# Altium PCB ZYNQ_IPMC.PcbDoc (part 6 of 6)
Units mil, origin at the board's own origin, x right, y up, seen from the top; angles counter-clockwise.
Board outline 3228.35 x 1181.1 mil, 10 copper layers (Component Side, Ground Plane 1 (GND), Inner Layer 1, Inner Layer 2, Power Plane 1, Power Plane 2, Inner Layer 3, Inner Layer 4, Power Plane 3, Solder Side), stack 39.78 mil thick; 308 components, 335 nets, 1514 pads, 1113 vias.
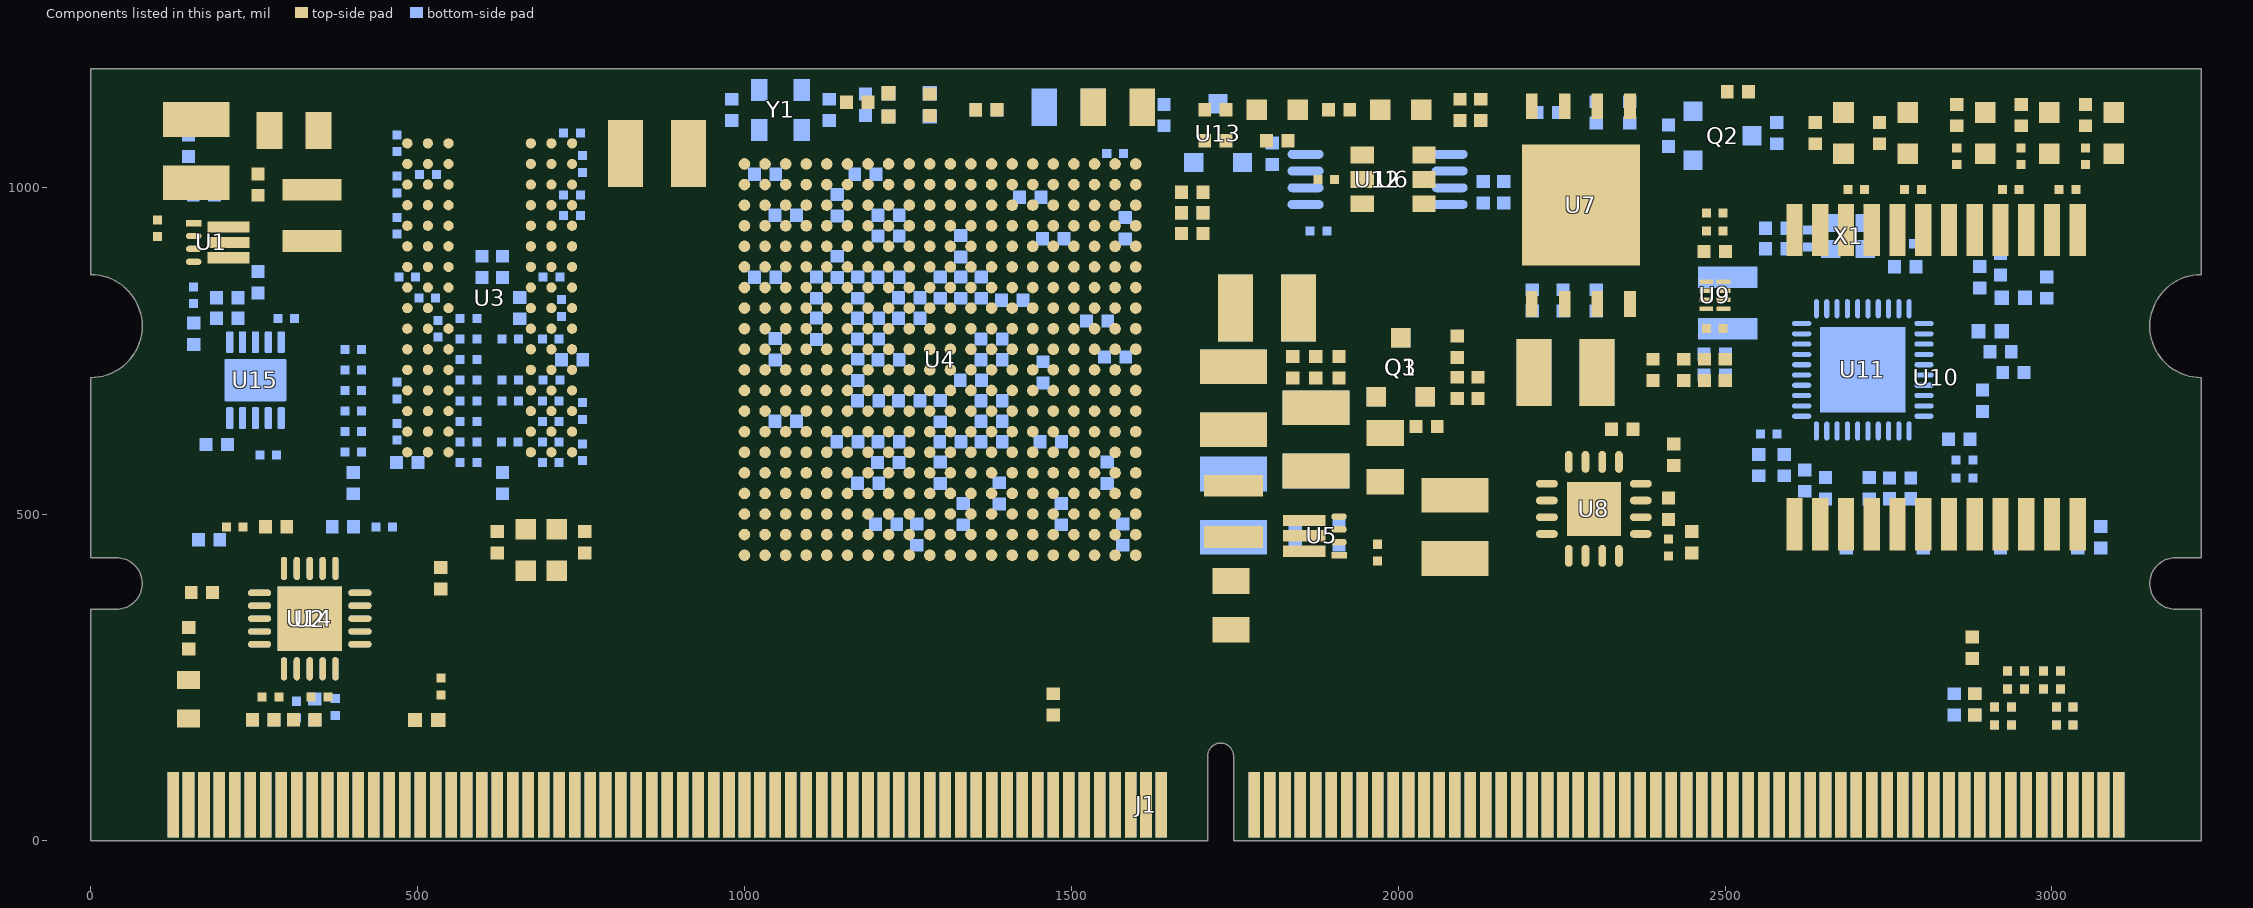
[diagram p14: the components of this part, seen from the top]

## Polygon pours and split planes (outlines as drawn)
GND on Solder Side "PLANE_BOT_GND" (solid, remove dead copper, pour order 28): 3114.17,114.17 3118.11,118.11 3228.35,118.11 3228.35,692.91 3228.35,1181.11 -3.94,1181.1 -3.94,448.82 -3.94,118.11 110.24,118.11 114.17,114.17 114.17,102.36 3114.17,102.36
VTTRAM on Solder Side "VTTRAM_L10_P002" (solid, remove dead copper, pour order 2): 397.64,850.39 402.89,845.14 402.89,583.01 437.07,583.01 458.07,562.01 459.05,562.99 572.18,562.99 572.18,870.08 696.85,870.08 696.85,535.43 393.7,535.43 354.33,574.8 354.33,724.41 334.65,744.09 244.09,744.09 244.09,850.39
GND on Component Side "PLANE_TOP_GND" (solid, remove dead copper, pour order 26): 3228.35,448.82 3228.35,118.11 3133.86,118.11 3118.11,118.11 3114.17,114.17 3114.17,102.36 114.17,102.36 114.17,114.17 110.24,118.11 106.3,118.11 -3.94,118.11 -3.94,448.82 -3.94,1181.09 3228.35,1181.1
VCC1.5 on Component Side "VCC1.5_L01_P012" (solid, pour order 12): 291.34,976.38 381.89,976.38 456.69,901.57 562.99,901.57 562.99,1074.8 570.87,1082.68 649.61,1082.68 657.48,1074.8 657.48,956.69 673.23,940.94 799.21,940.94 850.39,992.13 850.39,1149.61 311.02,1149.61 311.02,1031.5 291.34,1011.81
VCC3.3 on Component Side "VCC3.3_L01_P006" (solid, pour order 6): 244.09,929.13 275.59,960.63 275.59,1000 271.65,1003.94 240.16,1003.94 216.54,1027.56 216.54,1055.12 39.37,1055.12 39.37,929.13 177.17,929.13
VCC3.3_IO on Component Side "VCC3.3_IO_L01_P016" (solid, pour order 16): 2078.74,1145.67 2086.61,1153.54 2212.6,1153.54 2220.47,1145.67 2220.47,1082.68 2212.6,1074.8 2157.48,1074.8 2149.61,1082.68 2149.61,1110.24 2141.73,1118.11 2086.61,1118.11 2078.74,1125.98
VCC1.8 on Component Side "VCC1.8_L01_P018" (solid, pour order 18): 2153.54,767.72 2161.42,775.59 2240.16,775.59 2248.03,767.72 2248.03,661.42 2255.91,653.54 2330.71,653.54 2338.58,645.67 2338.58,618.11 2322.83,602.36 2322.83,562.99 2314.96,555.12 2255.91,555.12 2251.97,551.18 2251.97,515.75 2244.09,507.87 2212.6,507.87 2200.79,519.68 2200.79,614.17 2153.54,661.42
VCC1.8 on Component Side "VCC1.8_L01_P020" (solid, pour order 20): 1830.71,1137.8 1858.27,1137.8 1866.14,1129.92 1866.14,1051.18 1885.83,1031.5 1885.83,1003.94 1897.64,992.13 1960.63,992.13 1972.44,980.32 1972.44,952.76 1960.63,940.94 1940.94,940.94 1909.45,972.44 1818.9,972.44 1795.28,996.06 1795.28,1035.43 1814.96,1055.12 1814.96,1122.05
VCC1.8 on Component Side "VCC1.8_L01_P022" (solid, pour order 22): 2484.25,818.9 2507.87,818.9 2515.75,811.02 2515.75,732.28 2507.87,724.41 2381.89,724.41 2374.02,732.28 2374.02,771.65 2381.89,779.53 2409.45,779.53 2417.32,771.65 2417.32,755.91 2425.2,748.03 2476.38,748.03 2484.25,755.91
VCC3.3 on Component Side "VCC3.3_L01_P024" (solid, remove dead copper, pour order 24): 1692.91,118.11 1661.42,118.11 1649.61,106.3 1610.24,106.3 1712.6,208.66 1712.6,342.52 1755.91,342.52 1818.9,405.51 1818.9,448.82 1822.83,452.76 2000,452.76 2031.5,484.25 2133.86,484.25 2133.86,539.37 2043.31,629.92 2043.31,649.61 2027.56,665.35 2027.56,700.79 2137.8,700.79 2204.72,633.86 2204.72,535.43 2226.38,513.78 2242.13,513.78 2251.97,503.94 2251.97,464.57 2259.84,456.69 2316.93,456.69 2337.6,436.02 2396.65,436.02 2413.39,452.76 2460.63,452.76 2460.63,374.02 2440.94,354.33 2078.74,354.33 2051.18,326.77 2051.18,106.3 1763.78,106.3 1763.78,145.67 1748.03,161.42 1708.66,161.42 1692.91,145.67
GND on Ground Plane 1 (GND) (split plane): 174 vertices, not listed, extent 15.07,15.07 3213.27,1166.03
VCCPLL on Power Plane 1 (split plane): 1245.92,889.76 1245.92,852.51 1203.29,852.51 1195.03,860.77 1195.03,1035.43 1194.82,1037 1194.22,1038.46 1193.26,1039.71 1163.53,1069.44 1163.53,1070.87 1163.53,1096.31 1245.92,1096.31
VCC1.0 on Power Plane 1 (split plane): 1403.4,828.2 1403.4,767.72 1403.6,766.15 1404.21,764.69 1405.17,763.44 1420.92,747.69 1422.17,746.73 1423.63,746.12 1425.2,745.92 1820.72,745.92 1820.72,625.98 1820.93,624.42 1821.53,622.96 1822.49,621.7 1823.75,620.74 1825.21,620.14 1826.77,619.93 1907.33,619.93 1907.33,525.74 1687.15,525.74 1687.15,594.49 1686.95,596.05 1686.34,597.51 1685.38,598.77 1684.13,599.73 1682.67,600.33 1681.1,600.54 1175.73,600.54 1163.53,612.74 1163.53,832.14 1171.8,840.4 1200.79,840.4 1251.97,840.4 1253.53,840.61 1254.99,841.22 1256.25,842.18 1257.21,843.43 1257.81,844.89 1258.02,846.46 1258.02,871.9 1263.78,871.9 1359.7,871.9
VCC3.3 on Power Plane 1 (split plane): 155 vertices, not listed, extent 15.07,15.07 3213.27,1166.03
AVCC3.3 on Power Plane 1 (split plane): 506.71,15.07 15.07,15.07 15.07,339.26 39.37,339.26 39.37,339.24 45.47,339.59 51.49,340.61 57.36,342.3 63,344.64 68.34,347.59 73.32,351.13 77.88,355.19 81.95,359.75 85.48,364.73 88.43,370.07 90.77,375.72 92.46,381.58 93.48,387.6 93.83,393.7 93.48,399.8 92.46,405.82 90.77,411.69 88.43,417.33 85.48,422.67 81.95,427.65 81.66,427.97 506.71,427.97
VCC1.5 on Power Plane 2 (split plane): 1119.93,481.47 1112.06,473.6 15.07,473.6 15.07,694.84 16.29,695 24.28,696.77 32.09,699.23 39.65,702.36 46.91,706.14 53.82,710.54 60.31,715.52 66.35,721.05 71.88,727.09 76.86,733.58 81.26,740.49 85.04,747.75 88.17,755.31 90.63,763.12 92.4,771.11 93.47,779.22 93.83,787.4 93.47,795.58 92.4,803.69 90.63,811.69 88.17,819.49 85.04,827.06 81.26,834.32 76.86,841.22 71.88,847.71 66.35,853.75 60.31,859.28 53.82,864.26 46.91,868.66 39.65,872.44 32.09,875.57 24.28,878.03 16.29,879.81 15.07,879.97 15.07,1166.03 1119.93,1166.03
VCC3.3_IO on Power Plane 2 (split plane): 2731.12,1115.33 2362.2,1115.33 2360.25,1114.95 2358.6,1113.84 2308.91,1064.15 2232.28,1064.15 2230.33,1063.76 2228.68,1062.66 2123.87,957.85 2053.63,957.85 2051.68,957.47 2050.03,956.36 2023.95,930.29 2022.85,928.63 2022.46,926.68 2022.46,870.08 2022.46,691.09 1962.46,631.08 1803.15,631.08 1801.2,630.69 1799.54,629.59 1720.8,550.85 1613.02,443.06 1158.64,443.06 1132.04,469.66 1132.04,1166.03 2731.12,1166.03
GND on Power Plane 2 (split plane): 183 vertices, not listed, extent 15.07,15.07 3213.27,1166.03
VCC1.8 on Power Plane 3 (split plane): 2687.82,1017.86 2671.12,1001.16 2507.87,1001.16 2505.92,1000.77 2504.27,999.67 2480.65,976.05 2457.03,952.42 2455.92,950.77 2455.53,948.82 2455.53,639.91 2446.71,631.08 1716.54,631.08 1714.58,630.69 1712.93,629.59 1652.39,569.04 1238.73,569.04 1195.03,612.74 1195.03,1166.03 2687.82,1166.03
GND on Power Plane 3 (split plane): 211 vertices, not listed, extent 15.07,15.07 3213.27,1166.03

## Keep-outs
Component Side:
  rectangle: 1650.55,1165.35 1972.44,1181.1
Solder Side:
  rectangle: 1649.61,1165.35 2338.58,1181.1

## Other copper
Component Side:
  rectangle net VCC1.8: 1208.66,1129.92 1263.78,1165.35
  rectangle net VCC3.3_IO: 1574.8,1094.49 1629.92,1165.35
  rectangle net GND: 1814.96,484.25 1877.95,527.56
  region net GND: 1220.47,720.47 1236.22,704.72 1299.21,704.72 1299.21,736.22 1330.71,736.22 1299.21,767.72 1299.21,799.21
  region net ADJ_1.8: 2358.27,566.93 2389.76,598.43 2440.94,598.43 2440.94,633.86 2437.01,637.8 2389.76,637.8 2385.83,641.73 2385.83,649.61 2350.39,649.61 2350.39,614.17 2330.71,594.49 2330.71,566.93 2334.65,562.99 2354.33,562.99
  region net GND: 2405.51,582.68 2405.51,547.24 2425.2,547.24 2464.57,507.87 2480.31,507.87 2484.25,511.81 2484.25,527.56 2429.13,582.68
  region net VCC3.3_IO: 1141.73,673.23 1157.48,657.48 1173.23,673.23 1157.48,688.98 1141.73,673.23
  region net EN_3.3V_IO: 2082.68,748.03 2082.68,700.79 2129.92,700.79 2129.92,716.54 2098.43,748.03
  region net GND: 1696.85,700.79 1751.97,700.79 1755.91,696.85 1755.91,665.35 1807.09,665.35 1818.9,653.54 1818.9,618.11 1822.83,614.17 1940.94,614.17 1952.76,602.36 2039.37,602.36 2039.37,645.67 1948.82,645.67 1925.2,669.29 1925.2,716.54 1921.26,720.47 1811.02,720.47 1799.21,732.28 1799.21,751.97 1799.21,870.08 1696.85,870.08
  region net VCCPLL: 1208.66,1118.11 1192.91,1102.36 1169.29,1102.36 1161.42,1094.49 1161.42,1078.74 1165.35,1074.8 1244.09,1074.8 1248.03,1078.74 1248.03,1102.36 1232.28,1118.11
  region net AVCC3.3: 507.87,200.79 480.31,200.79 460.63,181.1 460.63,122.05 507.87,122.05
  region net VCC3.3: 519.68,161.42 562.99,161.42 562.99,232.28 519.68,232.28
  region net GND: 1732.28,433.07 1740.16,440.94 1803.15,440.94 1811.02,433.07 1811.02,417.32 1771.65,377.95 1732.28,377.95
  region net VCC1.0: 1696.85,653.54 1696.85,527.56 1799.21,527.56 1811.02,539.37 1893.7,539.37 1897.64,535.43 1897.64,496.06 1901.57,492.13 1917.32,492.13 1956.69,531.5 1956.69,566.93 1929.13,594.49 1822.83,594.49 1799.21,618.11 1799.21,653.54
  region net VCC3.3_IO: 1826.77,728.35 1921.26,728.35 1940.94,748.03 2015.75,748.03 2019.68,751.97 2019.68,787.4 1952.76,787.4 1874.02,866.14 1818.9,866.14 1818.9,763.78 1826.77,755.91
  pour cut-out: 551.18,562.99 673.23,562.99 673.23,1051.18 551.18,1051.18
  region net GND: 586.61,917.32 590.55,913.39 610.24,913.39 618.11,905.51 618.11,885.83 622.05,881.89 637.8,881.89 641.73,885.83 641.73,933.07 637.8,937.01 590.55,937.01 586.61,933.07
  pour cut-out: 714.57,559.06 836.61,559.06 836.61,669.29 714.57,669.29
  pour cut-out: 720.47,681.1 779.53,681.1 779.53,846.46 720.47,846.46
  region net VCC1.8: 1192.91,1137.8 1208.66,1153.54 1212.6,1153.54 1212.6,1133.86 1200.79,1122.05 1192.91,1122.05
  text "Layer 1 - Signal (Copper)" at -3040,980 h60
Inner Layer 1:
  text "Layer 3 - Signal (Copper)" at -3040,780 h60
Inner Layer 2:
  text "Layer 4 - Signal (Copper)" at -3040,680 h60
Inner Layer 3:
  text "Layer 7 - Signal (Copper)" at -3040,380 h60
Inner Layer 4:
  text "Layer 8 - Signal (Copper)" at -3040,280 h60
Solder Side:
  region net GND: 2582.68,566.93 2582.68,555.12 2570.87,543.31 2570.87,535.43 2606.3,535.43 2606.3,543.31 2598.43,551.18 2598.43,566.93
  region net VCC1.8: 2051.18,1000 2055.12,1003.94 2102.36,1003.94 2118.11,988.19 2173.23,988.19 2173.23,956.69 2157.48,940.94 2141.73,940.94 2114.17,968.5 2055.12,968.5 2051.18,972.44
  region net GND: 1779.53,866.14 1724.41,866.14 1696.85,838.58 1696.85,700.79 1751.97,700.79 1755.91,696.85 1755.91,665.35 1818.9,665.35 1822.83,661.42 1822.83,614.17 1940.94,614.17 1940.94,641.73 1960.63,661.42 1984.25,661.42 1984.25,696.85 1980.31,692.91 1822.83,692.91 1803.15,712.6 1803.15,748.03 1779.53,771.65
  region net VCC1.8: 1208.66,1129.92 1208.66,1165.35 1263.78,1165.35 1263.78,1157.48 1267.72,1153.54 1295.28,1153.54 1295.28,1129.92
  region net VCCPLL: 1173.23,1118.11 1232.28,1118.11 1232.28,1106.3 1248.03,1090.55 1248.03,1078.74 1244.09,1074.8 1165.35,1074.8 1161.42,1078.74 1161.42,1094.49 1173.23,1106.3
  region net VREF: 287.4,661.42 311.02,661.42 311.02,578.74 279.53,578.74 279.53,610.24 287.4,618.11
  region net VOSNS: 287.4,748.03 287.4,779.53 291.34,783.46 299.21,783.46 303.15,787.4 303.15,807.09 326.77,807.09 326.77,748.03
  region net VCC3.3: 196.85,618.11 196.85,594.49 192.91,590.55 177.17,590.55 145.67,590.55 145.67,535.43 224.41,535.43 224.41,618.11
  region net NetC149_2: 149.61,830.71 149.61,807.09 145.67,803.15 145.67,779.53 173.23,779.53 204.72,748.03 216.54,748.03 216.54,775.59 204.72,787.4 204.72,811.02 177.17,811.02 165.35,822.83 165.35,830.71
  region net GND: 1696.85,492.13 1779.53,492.13 1814.96,527.56 1877.95,527.56 1877.95,484.25 1814.96,484.25 1811.02,480.32 1811.02,421.26 1716.53,421.26 1696.85,440.94
  region net VCC1.0: 1696.85,527.56 1696.85,653.54 1799.21,653.54 1799.21,618.11 1822.83,594.49 1929.13,594.49 1929.13,484.25 1925.2,484.25 1889.76,484.25 1889.76,535.43 1885.83,539.37 1811.02,539.37 1799.21,527.56
  region net VCC1.8: 1484.25,1094.49 1377.95,1094.49 1377.95,1137.8 1413.39,1137.8 1417.32,1141.73 1417.32,1165.35 1484.25,1165.35
  region net VCC3.3: 2535.43,933.07 2535.43,964.57 2566.93,933.07
  region net VCC3.3_IO: 1818.9,866.14 1818.9,763.78 1822.83,759.84 1944.88,759.84 1948.82,763.78 1948.82,779.53 1877.95,850.39 1877.95,862.2 1874.02,866.14
  text "Layer 10 - Signal (Copper)" at -3040,80 h60
Ground Plane 1 (GND) (plane layer: these items are gaps in the copper):
  text "Layer 2 - Ground Plane (Copper, Mask)" at -3040,880 h60
Power Plane 1 (plane layer: these items are gaps in the copper):
  lines w10: 0,0 511.81,0 511.81,433.07 0,433.07
  lines w12: 1157.48,830.71 1157.48,834.65 1169.29,846.46 ; 1177.17,846.46 1188.98,858.27 1200.79,846.46 ; 1188.98,846.46 1188.98,1035.43 1157.48,1066.93 1157.48,1070.87 1157.48,1102.36 1251.97,1102.36 1251.97,889.76 ; 1251.97,877.95 1362.2,877.95 1409.45,830.71 1409.45,767.72 1425.2,751.97 1826.77,751.97 1826.77,625.98 1913.39,625.98 1913.39,519.68 1681.1,519.68 1681.1,594.49 1173.23,594.49 1157.48,610.24 1157.48,846.46 1251.97,846.46 1251.97,889.76 ; 1263.78,877.95 1251.97,889.76
  text "Layer 5 - Power Plane (Copper, Mask)" at -3040,580 h60
Power Plane 2 (plane layer: these items are gaps in the copper):
  lines w10: 0,468.5 1125.98,468.5 1157.48,437.01 ; 1114.17,468.5 1125.98,480.32 ; 1614.17,437.01 1724.41,547.24 1803.15,625.98 1964.57,625.98 2027.56,688.98 2027.56,870.08 2027.56,926.68 2053.63,952.76 2125.98,952.76 2232.28,1059.06 2311.02,1059.06 2362.2,1110.24 2736.22,1110.24 2736.22,1181.1
  lines w12: 1125.98,468.5 1125.98,1181.1 ; 1157.48,437.01 1614.17,437.01
  text "Layer 6 - Power Plane (Copper, Mask)" at -3040,480 h60
Power Plane 3 (plane layer: these items are gaps in the copper):
  lines w10: 1653.54,562.99 1716.54,625.98 2346.46,625.98 2448.82,625.98 2460.63,637.8 2460.63,948.82 2484.25,972.44 2507.87,996.06 2673.23,996.06 2692.91,1015.75 2692.91,1181.1
  lines w12: 1188.98,1181.1 1188.98,610.24 1236.22,562.99 1653.54,562.99
  text "Layer 9 - Power Plane (Copper, Mask)" at -3040,180 h60
Multi-Layer:
  pour cut-out: 1708.66,-3.94 1708.66,137.8 1720.47,149.61 1736.22,149.61 1748.03,137.8 1748.03,-3.94
  pour cut-out: 3232.28,354.33 3188.98,354.33 cw(c3188.98,393.7) 3149.61,393.7 cw(c3188.98,393.7) 3188.98,433.07 3232.28,433.07
  pour cut-out: 3232.28,708.76 cw(c3228.35,787.4) 3149.61,787.4 cw(c3228.35,787.4) 3232.28,866.04
  pour cut-out: -3.94,708.76 ccw(c0,787.4) 78.74,787.4 ccw(c0,787.4) -3.94,866.04
  pour cut-out: -3.94,354.33 39.37,354.33 ccw(c39.37,393.7) 78.74,393.7 ccw(c39.37,393.7) 39.37,433.07 -3.94,433.07

## Silkscreen, mask and mechanical layers (free items; w line width, h text height)
Top Overlay:
  drawing of 2096 lines, arcs and shapes, not listed
  text "PG1.5V" at 66.93,893.7 h20 r90
  text "3.3V (IO)" at 1925.2,850.39 h20
  text "1.8V" at 2023.62,807.09 h20
  text "1.0V" at 2062.99,566.93 h20
  text "REV-B1" at 3216.54,472.44 h30 r90
  text "3.3V" at 1909.45,358.27 h20
  text "ZYNQ-IPMC" at 2122.05,318.9 h40
  text "0" at 681.1,244.09 h20 r90
  text "4" at 728.35,244.09 h20 r90
  text "8" at 775.59,244.09 h20 r90
  text "12" at 822.83,244.09 h20 r90
  text "16" at 870.08,244.09 h20 r90
  text "GND" at 917.32,244.09 h20 r90
  text "22" at 964.57,244.09 h20 r90
  text "26" at 1011.81,244.09 h20 r90
  text "30" at 1059.06,244.09 h20 r90
  text "34" at 1106.3,244.09 h20 r90
  text "38" at 1153.54,244.09 h20 r90
  text "40" at 1200.79,244.09 h20 r90
  text "44" at 1248.03,244.09 h20 r90
  text "46" at 1295.28,244.09 h20 r90
  text "48" at 1342.52,244.09 h20 r90
  text "50" at 1389.76,244.09 h20 r90
  text "GND" at 1437.01,244.09 h20 r90
  text "RX" at 1531.5,244.09 h20 r90
  text "54" at 1602.36,244.09 h20 r90
  text "VCC" at 1649.61,244.09 h20 r90
  text "68" at 2098.43,244.09 h20 r90
  text "70" at 2145.67,244.09 h20 r90
  text "VCC" at 2192.91,244.09 h20 r90
  text "76" at 2240.16,244.09 h20 r90
  text "78" at 2287.4,244.09 h20 r90
  text "GND" at 2334.65,244.09 h20 r90
  text "84" at 2381.89,244.09 h20 r90
  text "88" at 2429.13,244.09 h20 r90
  text "92" at 2476.38,244.09 h20 r90
  text "GND" at 2523.62,244.09 h20 r90
  text "100" at 2665.35,244.09 h20 r90
  text "104" at 2712.6,244.09 h20 r90
  text "GND" at 2759.84,244.09 h20 r90
  text "FRONT" at 55.12,185.04 h30 r90
  text "VCC POWER" at 1807.09,177.17 h24
  text "GND" at 657.48,173.23 h20 r90
  text "2" at 700.79,173.23 h20 r90
  text "6" at 748.03,173.23 h20 r90
  text "10" at 795.28,173.23 h20 r90
  text "14" at 842.52,173.23 h20 r90
  text "18" at 889.76,173.23 h20 r90
  text "20" at 937.01,173.23 h20 r90
  text "24" at 984.25,173.23 h20 r90
  text "28" at 1031.5,173.23 h20 r90
  text "32" at 1078.74,173.23 h20 r90
  text "36" at 1125.98,173.23 h20 r90
  text "GND" at 1173.23,173.23 h20 r90
  text "42" at 1220.47,173.23 h20 r90
  text "45" at 1267.72,173.23 h20 r90
  text "47" at 1314.96,173.23 h20 r90
  text "49" at 1362.2,173.23 h20 r90
  text "51" at 1409.45,173.23 h20 r90
  text "TX" at 1456.69,173.23 h20 r90
  text "GND" at 1507.87,173.23 h20 r90
  text "GND" at 1578.74,173.23 h20 r90
  text "55" at 1625.98,173.23 h20 r90
  text "66" at 2074.8,173.23 h20 r90
  text "VCC" at 2122.05,173.23 h20 r90
  text "72" at 2169.29,173.23 h20 r90
  text "74" at 2216.54,173.23 h20 r90
  text "VCC" at 2263.78,173.23 h20 r90
  text "80" at 2311.02,173.23 h20 r90
  text "82" at 2358.27,173.23 h20 r90
  text "86" at 2405.51,173.23 h20 r90
  text "90" at 2452.76,173.23 h20 r90
  text "94" at 2500,173.23 h20 r90
  text "96" at 2547.24,173.23 h20 r90
  text "GND" at 2641.73,173.23 h20 r90
  text "102" at 2688.98,173.23 h20 r90
  text "106" at 2736.22,173.23 h20 r90
  text "1" at 94.49,39.37 h30
  text "122" at 3125.98,39.37 h30
  text "Top Overlay (Ink)" at -3040,-20 h60
Bottom Overlay:
  lines w5: 5,160.46 3223,160.46 ; 669.29,169.29 669.29,232.28 ; 716.54,169.29 716.54,232.28 ; 763.78,169.29 763.78,232.28 ; 811.02,169.29 811.02,232.28 ; 858.27,169.29 858.27,232.28 ; 905.51,169.29 905.51,232.28 ; 952.76,169.29 952.76,232.28 ; 1000,169.29 1000,232.28 ; 1047.24,169.29 1047.24,232.28 ; 1094.49,169.29 1094.49,232.28 ; 1141.73,169.29 1141.73,232.28 ; 1188.98,169.29 1188.98,232.28 ; 1236.22,169.29 1236.22,232.28 ; 1283.46,169.29 1283.46,232.28 ; 1330.71,169.29 1330.71,232.28 ; 1377.95,169.29 1377.95,232.28 ; 1425.2,169.29 1425.2,232.28 ; 1472.44,169.29 1472.44,232.28 ; 1519.68,169.29 1519.68,232.28 ; 1566.93,169.29 1566.93,232.28 ; 1614.17,169.29 1614.17,232.28 ; 1803.15,169.29 1803.15,232.28 ; 1850.39,169.29 1850.39,232.28 ; 1897.64,169.29 1897.64,232.28 ; 1944.88,169.29 1944.88,232.28 ; 1992.13,169.29 1992.13,232.28 ; 2039.37,169.29 2039.37,232.28 ; 2086.61,169.29 2086.61,232.28 ; 2133.86,169.29 2133.86,232.28 ; 2181.1,169.29 2181.1,232.28 ; 2228.35,169.29 2228.35,232.28 ; 2275.59,169.29 2275.59,232.28 ; 2322.83,169.29 2322.83,232.28 ; 2370.08,169.29 2370.08,232.28 ; 2417.32,169.29 2417.32,224.41 2437.01,244.09 2437.01,267.72 ; 2464.57,169.29 2464.57,232.28 ; 2511.81,169.29 2511.81,232.28 ; 2559.06,169.29 2559.06,232.28 ; 2606.3,169.29 2606.3,232.28 ; 2653.54,169.29 2653.54,232.28 ; 2700.79,169.29 2700.79,232.28 ; 2748.03,169.29 2748.03,232.28
  lines w7.87: 2015.75,244.09 2409.45,244.09 2409.45,637.8 2015.75,637.8 2015.75,244.09
  text "PG1.8V" at 2425.2,1149.61 h20
  text "Designed by / WISC-HEP" at 3346.46,862.2 h40
  text "QR" at 2106.3,574.8 h40
  text "PG1.0V" at 2397.64,409.45 h20
  text "8/JUN/2018" at 2433.07,354.33 h30 r270
  text "89" at 2429.13,287.4 h20 r270
  text "GND" at 2031.5,259.84 h20 r270
  text "69" at 2078.74,259.84 h20 r270
  text "71" at 2125.98,259.84 h20 r270
  text "GND" at 2173.23,255.91 h20 r270
  text "77" at 2220.47,255.91 h20 r270
  text "79" at 2267.72,255.91 h20 r270
  text "GND" at 2314.96,255.91 h20 r270
  text "85" at 2362.2,255.91 h20 r270
  text "1" at 661.42,244.09 h20 r270
  text "5" at 708.66,244.09 h20 r270
  text "9" at 755.91,244.09 h20 r270
  text "13" at 803.15,244.09 h20 r270
  text "17" at 850.39,244.09 h20 r270
  text "GND" at 897.64,244.09 h20 r270
  text "23" at 944.88,244.09 h20 r270
  text "27" at 992.13,244.09 h20 r270
  text "31" at 1039.37,244.09 h20 r270
  text "35" at 1086.61,244.09 h20 r270
  text "39" at 1133.86,244.09 h20 r270
  text "41" at 1181.1,244.09 h20 r270
  text "GND" at 1228.35,244.09 h20 r270
  text "GBA-" at 1275.59,244.09 h20 r270
  text "GBB+" at 1326.77,244.09 h20 r270
  text "GND" at 1370.08,244.09 h20 r270
  text "GBC-" at 1417.32,244.09 h20 r270
  text "GBD+" at 1464.57,244.09 h20 r270
  text "GND" at 1511.81,244.09 h20 r270
  text "53" at 1559.06,244.09 h20 r270
  text "56" at 1606.3,244.09 h20 r270
  text "59" at 1795.28,244.09 h20 r270
  text "60" at 1842.52,244.09 h20 r270
  text "GND" at 1889.76,244.09 h20 r270
  text "63" at 1937.01,244.09 h20 r270
  text "64" at 1984.25,244.09 h20 r270
  text "93" at 2456.69,244.09 h20 r270
  text "GND" at 2503.94,244.09 h20 r270
  text "98" at 2551.18,244.09 h20 r270
  text "RST" at 2598.43,244.09 h20 r270
  text "101" at 2645.67,244.09 h20 r270
  text "105" at 2692.91,244.09 h20 r270
  text "108" at 2740.16,244.09 h20 r270
  text "BACK" at 3169.29,181.1 h30 r270
  text "GND" at 637.8,173.23 h20 r270
  text "3" at 685.04,173.23 h20 r270
  text "7" at 732.28,173.23 h20 r270
  text "11" at 779.53,173.23 h20 r270
  text "15" at 826.77,173.23 h20 r270
  text "19" at 874.02,173.23 h20 r270
  text "21" at 921.26,173.23 h20 r270
  text "25" at 968.5,173.23 h20 r270
  text "29" at 1015.75,173.23 h20 r270
  text "33" at 1062.99,173.23 h20 r270
  text "37" at 1110.24,173.23 h20 r270
  text "GND" at 1157.48,173.23 h20 r270
  text "43" at 1204.72,173.23 h20 r270
  text "GBA+" at 1251.97,173.23 h20 r270
  text "GND" at 1299.21,173.23 h20 r270
  text "GBB-" at 1346.46,173.23 h20 r270
  text "GBC+" at 1393.7,173.23 h20 r270
  text "GND" at 1440.94,173.23 h20 r270
  text "GBD-" at 1488.19,173.23 h20 r270
  text "52" at 1535.43,173.23 h20 r270
  text "GND" at 1582.68,173.23 h20 r270
  text "57" at 1629.92,173.23 h20 r270
  text "58" at 1771.65,173.23 h20 r270
  text "GND" at 1818.9,173.23 h20 r270
  text "61" at 1866.14,173.23 h20 r270
  text "62" at 1913.39,173.23 h20 r270
  text "GND" at 1960.63,173.23 h20 r270
  text "65" at 2007.87,173.23 h20 r270
  text "67" at 2055.12,173.23 h20 r270
  text "GND" at 2102.36,173.23 h20 r270
  text "73" at 2149.61,173.23 h20 r270
  text "75" at 2196.85,173.23 h20 r270
  text "GND" at 2244.09,173.23 h20 r270
  text "81" at 2291.34,173.23 h20 r270
  text "83" at 2338.58,173.23 h20 r270
  text "87" at 2385.83,173.23 h20 r270
  text "91" at 2433.07,173.23 h20 r270
  text "95" at 2480.31,173.23 h20 r270
  text "97" at 2527.56,173.23 h20 r270
  text "GND" at 2574.8,173.23 h20 r270
  text "99" at 2622.05,173.23 h20 r270
  text "103" at 2669.29,173.23 h20 r270
  text "107" at 2716.54,173.23 h20 r270
  text "GND" at 2763.78,173.23 h20 r270
  text "123" at 102.36,39.37 h30
  text "244" at 3204.72,39.37 h30
  text "Bottom Overlay (Ink)" at -3040,-120 h60
Top Paste:
  text "Top Paste (Paste)" at -3040,-220 h60
Bottom Paste:
  text "Bottom Paste (Paste)" at -3040,-320 h60
Top Solder:
  rectangle: 0,-3.94 3228.35,106.3
  text "Top Solder (Mask)" at -3040,-420 h60
Bottom Solder:
  rectangle: 0,0 3228.35,106.3
  text "Bottom Solder (Mask)" at -3040,-520 h60
Outline:
  lines w6.5: 0,433.07 0,707.82 ccw(c-0.42,786.98) 78.74,787.4 ccw(c-0.41,787.81) 0,866.96 0,1181.1 3228.35,1181.1 ; 1.33,433.07 38.41,433.07 cw(c38.41,392.75) 66.93,421.26 ; 66.25,365.47 cw(c39.37,392.35) 39.37,354.33 0,354.33 0,0 1708.66,0 1708.66,129.92 cw(c1728.35,129.92) 1728.35,149.61 cw(c1728.35,129.92) 1748.03,129.92 1748.03,0 3228.35,0 3228.35,354.33 ; 67.6,366.82 ccw(c40.72,393.7) 78.74,393.7 ccw(c40.72,393.7) 67.6,420.58 ; 3188.98,354.33 ccw(c3188.98,354.33) 3188.98,354.33 ; 3188.98,354.33 cw(c3188.98,393.7) 3149.61,393.7 cw(c3188.98,393.7) 3188.98,433.07 3228.35,433.07 ; 3188.98,354.33 3228.35,354.33 ; 3228.35,354.33 ccw(c3228.35,354.33) 3228.35,354.33 ; 3228.35,433.07 ccw(c3228.35,433.07) 3228.35,433.07 ; 3228.35,433.07 ccw(c3228.35,433.07) 3228.35,433.07 ; 3228.35,433.07 3228.35,433.07 ; 3228.35,433.07 3228.35,707.84 ; 3228.35,707.84 cw(c3228.76,786.99) 3149.61,787.4 cw(c3228.77,787.82) 3228.35,866.98 3228.35,1181.1 ; 3228.35,707.84 ccw(c3228.35,707.84) 3228.35,707.84 ; 3228.35,1181.1 ccw(c3228.35,1181.1) 3228.35,1181.1 ; 3228.35,1181.1 3228.35,1181.1
Top Hard Gold:
  rectangle: 0,0 3228.35,114.17
  text "Top Hard Gold (Mask)" at -3040,-620 h60
Bottom Hard Gold:
  rectangle: 0,0 3228.35,114.17
  text "Bottom Hard Gold (Mask)" at -3040,-720 h60
Component Placement:
  lines w3.94: 78.74,866.14 103.71,841.17 cw(c49.95,787.4) 125.98,787.4 125.98,157.48 3102.36,157.48 3102.36,768.9 cw(c3223.07,768.9) 3137.72,854.25 3149.61,866.14 3149.61,1181.1 78.74,1181.1 78.74,866.14
Fab Drawings:
  drawing of 175 lines, arcs and shapes, not listed
  text "1" at -2137.25,4350.75 h70
  text "2" at 722.75,4350.75 h70
  text "3" at 3602.75,4350.75 h70
  text "4" at 6472.75,4350.75 h70
  text "(+/- 0.10mm)" at -1407.48,4045.28 h40
  text "Specifications:" at 3775,3900 h100
  text "(+/- 0.10mm)" at 1462.6,3877.95 h40
  text "1. Dielectric material is Tetrafunctional FR-4 with Tg > 170 C" at 3800,3775 h40
  text "2. Overall thickness is 1.0mm +/- 0.10mm" at 3800,3685 h40
  text "Edge gridding" at 2165.35,3661.42 h50
  text "3. Board dimentions are 82 by 30mm with tolerances of +/- 0.15mm unless specified in drawing." at 3800,3605 h40
  text "(+/- 0.10mm)" at -3080.71,3553.15 h40 r90
  text "4. Panelization" at 3800,3520 h40
  text "A" at -3489.25,3444.75 h70
  text "a. Cards should be left in panels (at least 3 sides) for breakout after solder reflow" at 3900,3445 h40
  text "A" at 7810.75,3444.75 h70
  text "b. Panels should contain fiducial marks for X,Y alignment" at 3900,3370 h40
  text "(+/- 0.10mm)" at 669.29,3297.24 h40 r90
  text "5. Controlled impedance: 40 and 50 ohm single-ended traces on internal/external layers as follows:" at 3800,3280 h40
  text "(+/- 0.10mm)" at -1889.76,3228.35 h40 r90
  text "Internal layers (3, 4, 7, 8):" at 3900,3205 h40
  text "(+/- 0.10mm)" at -679.13,3169.29 h40 r90
  text "40 Ohm: 6 mil tracks in artwork" at 3975,3130 h40
  text "50 Ohm: 4.0 mil tracks in artwork" at 3975,3055 h40
  text "(+/- 0.10mm)" at 2194.88,2992.13 h40 r90
  text "External Layers (1 and 10):" at 3900,2980 h40
  text "40 Ohm: 9.5 mil tracks in artwork" at 3975,2905 h40
  text "50 Ohm: 6.5 mil tracks in artwork" at 3975,2830 h40
  text "(+/- 0.10mm)" at 1368.11,2814.96 h40
  text "Width of above-listed track/layer combinations may be adjusted by vendor to obtain desired" at 3900,2755 h40
  text "impedance within +/- 10%. All other track widths in the artwork are given as before-etching." at 3900,2680 h40
  text "(+/- 0.10mm)" at -2785.43,2677.17 h40
  text "(+/- 0.10mm)" at -1486.22,2667.32 h40
  text "6. All layers use 1/2 oz. copper (before plating)" at 3825,2605 h40
  text "(+/- 0.10mm)" at -118.11,2549.21 h40
  text "7. Holes:" at 3825,2530 h40
  text "a. Hole diameters are given as after plating +/- 3mils, except as noted on drill drawing" at 3900,2445 h40
  text "b. Drill files are in Excellon Format, 2.4 Absolute Inches, with leading zeros suppressed" at 3900,2370 h40
  text "Detail 1" at -2854.33,2362.2 h100
  text "Detail 2" at -1545.28,2362.2 h100
  text "Detail 3" at -196.85,2362.2 h100
  text "Detail 4" at 1377.95,2362.2 h100
  text "c. All plated through holes must be plated over to facilitate assembly as a via-in-pad design" at 3900,2295 h40
  text "(PCB side view)" at 1377.95,2263.78 h50
  text "d. Drills are plated-through holes and their locations are given in a separate drill file." at 3900,2220 h40
  text "8. Finish:" at 3825,2130 h40
  text "a. Board contains a hard gold finish area on the south edge of the top and bottom surface." at 3900,2055 h40
  text "Area to receive hard gold finish is identified in two separate photoplot layers." at 4000,1980 h40
  text "Area gold finish is minimum 0.75 microns gold over minimum 2.54 microns nickel." at 4000,1905 h40
  text "b. Overall board finish is immersion gold." at 3900,1830 h40
  text "9. Minimum observed signal layer clearances is 4 mils (layers 1, 3, 4, 7, 8 and 10)" at 3825,1755 h40
  text "10. Red colored solder mask shall be applied to both top and bottom surfaces." at 3825,1680 h40
  text "Mask shall be photoimagable, with maximum thickness of 3 mils" at 3925,1605 h40
  text "B" at -3489.25,1552.75 h70
  text "B" at 7810.75,1552.75 h70
  text "11. Layers 2, 5, 6 and 9 are power planes and are INVERTED" at 3825,1530 h40
  text "12. Silkscreen to be applied to both top and bottom sides. Silkscreen shall be white ink" at 3825,1455 h40
  text "13. Board shall be manufactured in accordance with IPC-6011 and IPC-6012 (class 2)" at 3825,1380 h40
  text "14. Combination of bow and twist shall not exceed 10 mils/inch along any direction" at 3825,1305 h40
  text "15. Design origin is at the bottom-left corner of the PCB" at 3825,1230 h40
  text "16. Testing:" at 3825,1155 h40
  text "UW-IPMC MEZZANINE (revB)" at -3040,1080 h100
  text "a. All layers to undergo optical inspection (machine-based) of all layers before lamination" at 3925,1080 h40
  text "b. Boards will receive a full electrical test based on Gerber and IPC-D-356A data." at 3925,1005 h40
  text "DC resistance shall be 10 ohms or less" at 4025,930 h40
  text "c. Resistance between planes and non-connected plated through holes and vias shall be" at 3925,855 h40
  text "10 Megaohms or larger" at 4025,780 h40
  text "3" at 3334.65,767.72 h39.37
  text "d. Impedance of all signal layers shall be checked with TDR. Finish impedance shall be to the" at 3925,705 h40
  text "nominal value (40 or 50 ohm) +/- 10%.Vendor shall provide appropriate coupons for testing." at 4025,630 h40
  text "Testing report to be enclosed with the quality control documention shipped with the boards." at 4025,555 h40
  text "17. Locations in IPC-D-356A file are given in 2.4 English units" at 3825,480 h40
  text "18. South edge-to-edge connector details:" at 3825,400 h40
  text "2" at 3334.65,374.02 h39.37
  text "a. Details present in page 2 of the Molex 87783-0301 datasheet (included)." at 3925,320 h40
  text "1" at 1962.6,-137.8 h39.37
  text "4" at 3336.61,-206.69 h39.37
  text "Layer Stackup" at 4625,-250 h100
  text "(+/- 0.1mm)" at 2205,-335 h40
  text "C" at -3489.25,-357.25 h70
  text "Top" at 4625,-430 h40
  text "(+/- 0.1mm)" at 1340,-470 h40
  text "-- Layer 1 (Signal)" at 5025.63,-540.31 h40
  text "-- Layer 2 (Ground Plane - GND)" at 5025.63,-640.31 h40
  text "(+/- 0.1mm)" at 1405,-655 h40
  text "PAD CENTER" at 2901.57,-704.72 h40
  text "-- Layer 3 (Signal)" at 5025.63,-740.31 h40
  text "-- Layer 4 (Signal)" at 5025.63,-840.31 h40
  text "-- Layer 5 (Power Plane - VCC3.3, VCC1.0, AVCC3.3, VCCPLL)" at 5025.63,-940.31 h40
  text "-- Layer 6 (Power Plane - VCC3.3_IO, VCC1.5, GND)" at 5025.63,-1040.31 h40
  text "-- Layer 7 (Signal)" at 5025.63,-1140.31 h40
  text "-- Layer 8 (Signal)" at 5025.63,-1240.31 h40
  text "-- Layer 9 (PowerPlane - VCC1.8, GND)" at 5025.63,-1340.31 h40
  text "-- Layer 10 (Signal)" at 5025.63,-1440.31 h40
  text "Bottom" at 4565,-1550 h40
  text "ENGINEER:" at 3285.75,-1814.25 h45
  text "TITLE:" at 4785.75,-1814.25 h45
  text "Univ. of Wisconsin-Madison" at 1871.1,-1830 h70
  text "ZYNQ-IPMC" at 4835.75,-1944.25 h70
  text "Madison, WI 53706" at 1871.1,-1950 h70
  text "Vicente, M." at 3335.75,-1950.79 h70
  text "PCB DESIGNER:" at 3285.75,-2109.25 h45
  text "Vicente, M." at 3335.75,-2234.25 h70
  text "D" at -3489.25,-2247.25 h70
  text "D" at 7810.75,-2247.25 h70
  text "DATE:" at 3285.75,-2414.25 h45
  text "PART NO.:" at 4785.75,-2414.25 h45
  text "REV:" at 6885.75,-2414.25 h45
  text "06JUN2019" at 3335.75,-2534.25 h70
  text ".Revision" at 6915.75,-2544.25 h70
  text "FILE NAME:" at 3285.75,-2714.25 h45
  text "DWG NO:" at 4785.75,-2714.25 h45
  text "SCALE:" at 6885.75,-2714.25 h45
  text "ZYNQ_IPMC.PCBDOC" at 3335.75,-2834.25 h70
  text "1:1" at 6905.75,-2844.25 h70
  text "1" at -2137.25,-3049.25 h70
  text "2" at 722.75,-3049.25 h70
  text "3" at 3602.75,-3049.25 h70
  text "4" at 6472.75,-3049.25 h70
Drill Drawing:
  lines w4: -360.26,-1397.29 -315.81,-1397.29 -338.03,-1441.73 -360.26,-1397.29 ; -360.26,-1330.62 -349.15,-1330.62 -349.15,-1341.73 -326.92,-1341.73 -326.92,-1330.62 -315.81,-1330.62 -315.81,-1308.4 -326.92,-1308.4 -326.92,-1297.29 -349.15,-1297.29 -349.15,-1308.4 -360.26,-1308.4 -360.26,-1330.62 ; -360.26,-1241.73 -315.81,-1241.73 -315.81,-1197.29 -360.26,-1197.29 -360.26,-1241.73
  lines w15: -399.28,-1471.73 3697.18,-1471.73 ; -399.28,-1171.73 3697.18,-1171.73 ; -40.57,-1571.73 -40.57,-1071.73 ; 416.11,-1571.73 416.11,-1071.73 ; 1304.65,-1571.73 1304.65,-1071.73 ; 1633.36,-1571.73 1633.36,-1071.73 ; 2114.03,-1571.73 2114.03,-1071.73 ; 2866.61,-1571.73 2866.61,-1071.73 ; -399.28,-1571.73 3697.18,-1571.73 3697.18,-1071.73 -399.28,-1071.73 -399.28,-1571.73
  text "Drill Guide" at -3040,-820 h60
  text "Symbol" at -339.28,-1141.73 h48
  text "Hit Count" at -10.57,-1141.73 h48
  text "Finished Hole Size" at 446.11,-1141.73 h48
  text "Plated" at 1334.65,-1141.73 h48
  text "Hole Type" at 1663.36,-1141.73 h48
  text "Physical Length" at 2144.03,-1141.73 h48
  text "Rout Path Length" at 2896.61,-1141.73 h48
  text "268" at -10.57,-1241.73 h40
  text "8.00mil (0.203mm)" at 446.11,-1241.73 h40
  text "PTH" at 1334.65,-1241.73 h40
  text "Round" at 1663.36,-1241.73 h40
  text "-" at 2144.03,-1241.73 h40
  text "-" at 2896.61,-1241.73 h40
  text "315" at -10.57,-1341.73 h40
  text "7.00mil (0.178mm)" at 446.11,-1341.73 h40
  text "PTH" at 1334.65,-1341.73 h40
  text "Round" at 1663.36,-1341.73 h40
  text "-" at 2144.03,-1341.73 h40
  text "-" at 2896.61,-1341.73 h40
  text "530" at -10.57,-1441.73 h40
  text "6.00mil (0.152mm)" at 446.11,-1441.73 h40
  text "PTH" at 1334.65,-1441.73 h40
  text "Round" at 1663.36,-1441.73 h40
  text "-" at 2144.03,-1441.73 h40
  text "-" at 2896.61,-1441.73 h40
  text "1113 Total" at -10.57,-1541.73 h40
Top Assembly:
  text "Top Assembly" at -3040,-920 h60
Bot Assembly:
  text "Bottom Assembly" at -3040,-1020 h60

## Dimensions
1728.35,-39.37 to 3102.36,-39.37 on Fab Drawings
-1279.53,3700.79 to -1082.68,3858.27 on Fab Drawings
-1023.62,3208.66 to -1023.62,3602.36 on Fab Drawings
-1476.38,3228.35 to -1082.68,2933.07 on Fab Drawings
-108.27,3188.98 to 285.43,2854.33 on Fab Drawings
344.49,3129.92 to 364.49,3918.27 on Fab Drawings
-2706.69,3828.74 to -2765.75,3730.32 on Fab Drawings
-2195.2,3081.65 to -2431.1,3828.74 on Fab Drawings
-2668.27,3022.28 to -2470.47,3021.97 on Fab Drawings
0,-39.37 to 3102.36,-39.37 on Fab Drawings
-39.37,0 to -39.37,1181.1 on Fab Drawings
-39.37,0 to -39.37,393.7 on Fab Drawings
-39.37,0 to -39.37,787.4 on Fab Drawings
1574.8,3651.57 to 1771.65,3651.57 on Fab Drawings
1820.87,3248.03 to 1771.65,3198.82 on Fab Drawings
1564.96,3198.82 to 1624.02,3159.45 on Fab Drawings
0,-153.54 to 3228.35,-39.37 on Fab Drawings